# Altium PCB PCB2.PcbDoc (part 2 of 3)
Units mm, origin at the board's own origin, x right, y up, seen from the top; angles counter-clockwise.
Board outline 800 x 450.44 mm, 3 copper layers (Top Layer, Y1, Bottom Layer), stack 0.488 mm thick; 810 components, 801 nets, 2040 pads, 600 vias.
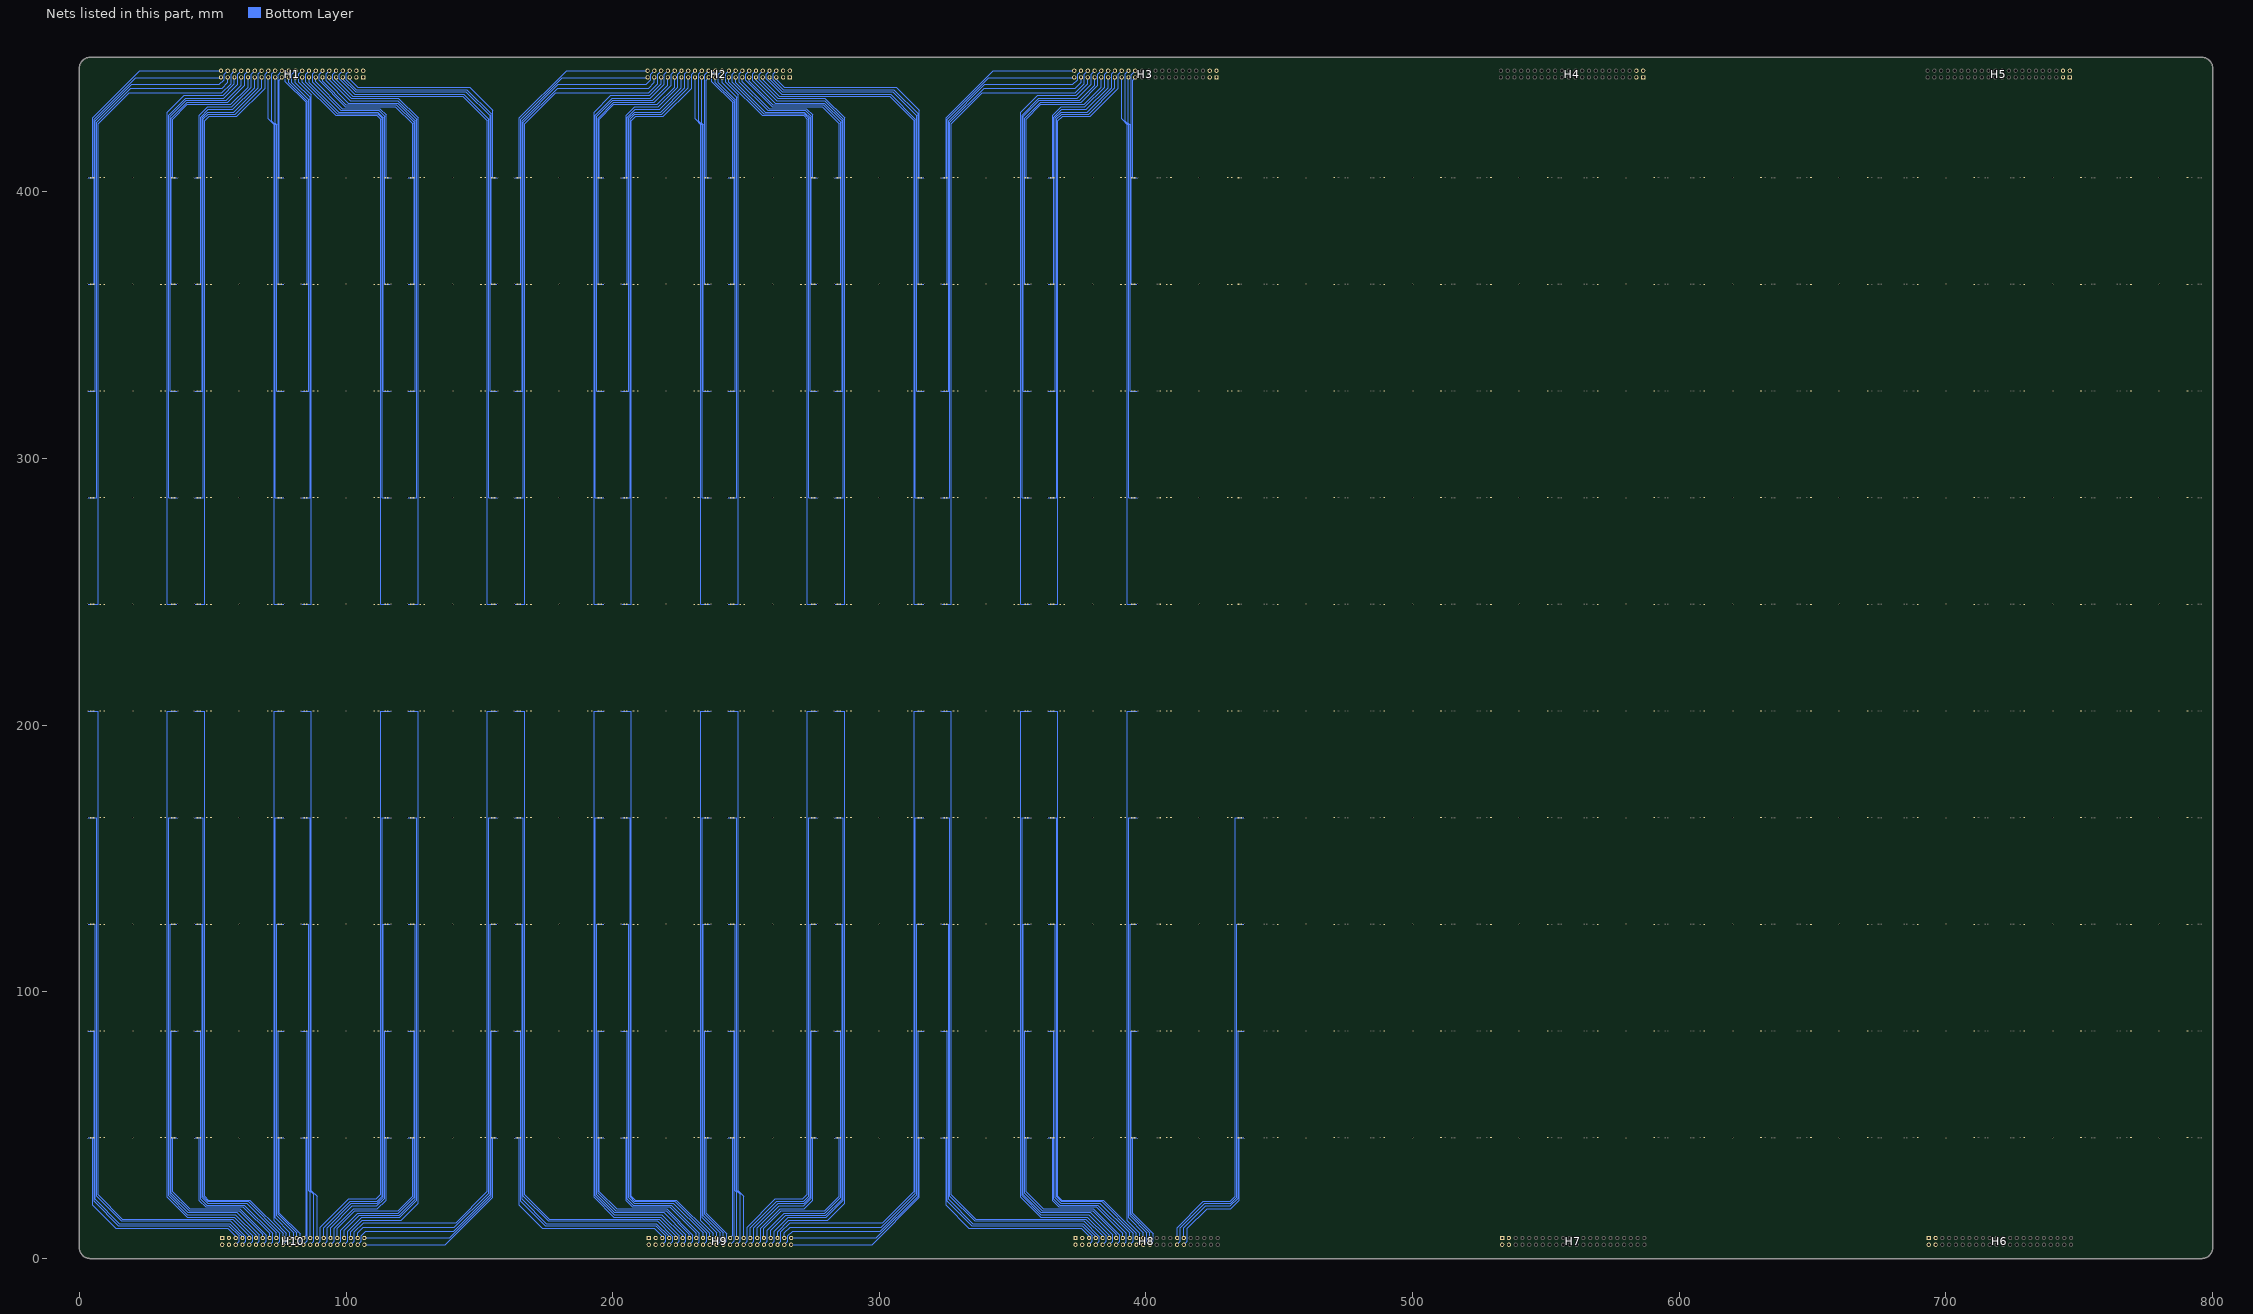
[diagram p3: the nets of this part, all layers, seen from the top]

## Via types
v1: diameter 0.5, hole 0.3, Top Layer to Bottom Layer, tented both sides, 600 vias

## Nets (pads, with @x,y where several pads share a name; then routed paths per layer and width w, separated by ;. In a path a pad name is that pad's centre, name@x,y a point inside that pad or via, vN(x,y) a via of type N, cw(c..) or ccw(c..) an arc to the next point about the centre after c; other vN are vias at no path point)
GND: D1.1 D1_1.1 D1_2.1 D1_3.1 D1_4.1 D1_5.1 D1_6.1 D1_7.1 D1_8.1 D1_9.1 D1_10.1 D1_11.1 D1_12.1 D1_13.1 D1_14.1 D1_15.1 D1_16.1 D1_17.1 D1_18.1 D1_19.1 D2.1 D2_1.1 D2_2.1 D2_3.1 D2_4.1 D2_5.1 D2_6.1 D2_7.1 D2_8.1 D2_9.1 D2_10.1 D2_11.1 D2_12.1 D2_13.1 D2_14.1 D2_15.1 D2_16.1 D2_17.1 D2_18.1 D2_19.1 D3.1 D3_1.1 D3_2.1 D3_3.1 D3_4.1 D3_5.1 D3_6.1 D3_7.1 D3_8.1 D3_9.1 D3_10.1 D3_11.1 D3_12.1 D3_13.1 D3_14.1 D3_15.1 D3_16.1 D3_17.1 D3_18.1 D3_19.1 D4.1 D4_1.1 D4_2.1 D4_3.1 D4_4.1 D4_5.1 D4_6.1 D4_7.1 D4_8.1 D4_9.1 D4_10.1 D4_11.1 D4_12.1 D4_13.1 D4_14.1 D4_15.1 D4_16.1 D4_17.1 D4_18.1 D4_19.1 D5.1 D5_1.1 D5_2.1 D5_3.1 D5_4.1 D5_5.1 D5_6.1 D5_7.1 D5_8.1 D5_9.1 D5_10.1 D5_11.1 D5_12.1 D5_13.1 D5_14.1 D5_15.1 D5_16.1 D5_17.1 D5_18.1 D5_19.1 D6.1 D6_1.1 D6_2.1 D6_3.1 D6_4.1 D6_5.1 D6_6.1 D6_7.1 D6_8.1 D6_9.1 D6_10.1 D6_11.1 D6_12.1 D6_13.1 D6_14.1 D6_15.1 D6_16.1 D6_17.1 D6_18.1 D6_19.1 D7.1 D7_1.1 D7_2.1 D7_3.1 D7_4.1 D7_5.1 D7_6.1 D7_7.1 D7_8.1 D7_9.1 D7_10.1 D7_11.1 D7_12.1 D7_13.1 D7_14.1 D7_15.1 D7_16.1 D7_17.1 D7_18.1 D7_19.1 D8.1 D8_1.1 D8_2.1 D8_3.1 D8_4.1 D8_5.1 D8_6.1 D8_7.1 D8_8.1 D8_9.1 D8_10.1 D8_11.1 D8_12.1 D8_13.1 D8_14.1 D8_15.1 D8_16.1 D8_17.1 D8_18.1 D8_19.1 D9.1 D9_1.1 D9_2.1 D9_3.1 D9_4.1 D9_5.1 D9_6.1 D9_7.1 D9_8.1 D9_9.1 D9_10.1 D9_11.1 D9_12.1 D9_13.1 D9_14.1 D9_15.1 D9_16.1 D9_17.1 D9_18.1 D9_19.1 D10.1 D10_1.1 D10_2.1 D10_3.1 D10_4.1 D10_5.1 D10_6.1 D10_7.1 D10_8.1 D10_9.1 D10_10.1 D10_11.1 D10_12.1 D10_13.1 D10_14.1 D10_15.1 D10_16.1 D10_17.1 D10_18.1 D10_19.1 D11.1 D11_1.1 D11_2.1 D11_3.1 D11_4.1 D11_5.1 D11_6.1 D11_7.1 D11_8.1 D11_9.1 D11_10.1 D11_11.1 D11_12.1 D11_13.1 D11_14.1 D11_15.1 D11_16.1 D11_17.1 D11_18.1 D11_19.1 D12.1 D12_1.1 D12_2.1 D12_3.1 D12_4.1 D12_5.1 D12_6.1 D12_7.1 D12_8.1 D12_9.1 D12_10.1 D12_11.1 D12_12.1 D12_13.1 D12_14.1 D12_15.1 D12_16.1 D12_17.1 D12_18.1 D12_19.1 D13.1 D13_1.1 D13_2.1 D13_3.1 D13_4.1 D13_5.1 D13_6.1 D13_7.1 D13_8.1 D13_9.1 D13_10.1 D13_11.1 D13_12.1 D13_13.1 D13_14.1 D13_15.1 D13_16.1 D13_17.1 D13_18.1 D13_19.1 D14.1 D14_1.1 D14_2.1 D14_3.1 D14_4.1 D14_5.1 D14_6.1 D14_7.1 D14_8.1 D14_9.1 D14_10.1 D14_11.1 D14_12.1 D14_13.1 D14_14.1 D14_15.1 D14_16.1 D14_17.1 D14_18.1 D14_19.1 D15.1 D15_1.1 D15_2.1 D15_3.1 D15_4.1 D15_5.1 D15_6.1 D15_7.1 D15_8.1 D15_9.1 D15_10.1 D15_11.1 D15_12.1 D15_13.1 D15_14.1 D15_15.1 D15_16.1 D15_17.1 D15_18.1 D15_19.1 D16.1 D16_1.1 D16_2.1 D16_3.1 D16_4.1 D16_5.1 D16_6.1 D16_7.1 D16_8.1 D16_9.1 D16_10.1 D16_11.1 D16_12.1 D16_13.1 D16_14.1 D16_15.1 D16_16.1 D16_17.1 D16_18.1 D16_19.1 D17.1 D17_1.1 D17_2.1 D17_3.1 D17_4.1 D17_5.1 D17_6.1 D17_7.1 D17_8.1 D17_9.1 D17_10.1 D17_11.1 D17_12.1 D17_13.1 D17_14.1 D17_15.1 D17_16.1 D17_17.1 D17_18.1 D17_19.1 D18.1 D18_1.1 D18_2.1 D18_3.1 D18_4.1 D18_5.1 D18_6.1 D18_7.1 D18_8.1 D18_9.1 D18_10.1 D18_11.1 D18_12.1 D18_13.1 D18_14.1 D18_15.1 D18_16.1 D18_17.1 D18_18.1 D18_19.1 D19.1 D19_1.1 D19_2.1 D19_3.1 D19_4.1 D19_5.1 D19_6.1 D19_7.1 D19_8.1 D19_9.1 D19_10.1 D19_11.1 D19_12.1 D19_13.1 D19_14.1 D19_15.1 D19_16.1 D19_17.1 D19_18.1 D19_19.1 D20.1 D20_1.1 D20_2.1 D20_3.1 D20_4.1 D20_5.1 D20_6.1 D20_7.1 D20_8.1 D20_9.1 D20_10.1 D20_11.1 D20_12.1 D20_13.1 D20_14.1 D20_15.1 D20_16.1 D20_17.1 D20_18.1 D20_19.1 H1.1 H1.2 H1.3 H1.4 H2.1 H2.2 H2.3 H2.4 H3.1 H3.2 H3.3 H3.4 H4.1 H4.2 H4.3 H4.4 H5.1 H5.2 H5.3 H5.4 H6.1 H6.2 H6.3 H6.4 H7.1 H7.2 H7.3 H7.4 H8.1 H8.2 H8.3 H8.4 H9.1 H9.2 H9.3 H9.4 H10.1 H10.2 H10.3 H10.4
  other v1: 20,45.308 60,45.308 100,45.308 140,45.308 180,45.308 220,45.308 260,45.308 300,45.308 340,45.308 380,45.308 420,45.308 460,45.308 500,45.308 540,45.308 580,45.308 620,45.308 660,45.308 700,45.308 740,45.308 780,45.308 20,85.308 60,85.308 100,85.308 140,85.308 180,85.308 220,85.308 260,85.308 300,85.308 340,85.308 380,85.308 420,85.308 460,85.308 500,85.308 540,85.308 580,85.308 620,85.308 660,85.308 700,85.308 740,85.308 780,85.308 20,125.308 60,125.308 100,125.308 140,125.308 180,125.308 220,125.308 260,125.308 300,125.308 340,125.308 380,125.308 420,125.308 460,125.308 500,125.308 540,125.308 580,125.308 620,125.308 660,125.308 700,125.308 740,125.308 780,125.308 20,165.308 60,165.308 100,165.308 140,165.308 180,165.308 220,165.308 260,165.308 300,165.308 340,165.308 380,165.308 420,165.308 460,165.308 500,165.308 540,165.308 580,165.308 620,165.308 660,165.308 700,165.308 740,165.308 780,165.308 20,205.308 60,205.308 100,205.308 140,205.308 180,205.308 220,205.308 260,205.308 300,205.308 340,205.308 380,205.308 420,205.308 460,205.308 500,205.308 540,205.308 580,205.308 620,205.308 660,205.308 700,205.308 740,205.308 780,205.308 20,245.308 60,245.308 100,245.308 140,245.308 180,245.308 220,245.308 260,245.308 300,245.308 340,245.308 380,245.308 420,245.308 460,245.308 500,245.308 540,245.308 580,245.308 620,245.308 660,245.308 700,245.308 740,245.308 780,245.308 20,285.308 60,285.308 100,285.308 140,285.308 180,285.308 220,285.308 260,285.308 300,285.308 340,285.308 380,285.308 420,285.308 460,285.308 500,285.308 540,285.308 580,285.308 620,285.308 660,285.308 700,285.308 740,285.308 780,285.308 20,325.308 60,325.308 100,325.308 140,325.308 180,325.308 220,325.308 260,325.308 300,325.308 340,325.308 380,325.308 420,325.308 460,325.308 500,325.308 540,325.308 580,325.308 620,325.308 660,325.308 700,325.308 740,325.308 780,325.308 20,365.308 60,365.308 100,365.308 140,365.308 180,365.308 220,365.308 260,365.308 300,365.308 340,365.308 380,365.308 420,365.308 460,365.308 500,365.308 540,365.308 580,365.308 620,365.308 660,365.308 700,365.308 740,365.308 780,365.308 20,405.308 60,405.308 100,405.308 140,405.308 180,405.308 220,405.308 260,405.308 300,405.308 340,405.308 380,405.308 420,405.308 460,405.308 500,405.308 540,405.308 580,405.308 620,405.308 660,405.308 700,405.308 740,405.308 780,405.308
NewNet1: D1.2 L1.2
NewNet2: H1.44 L1.1 | length 79.7
  Bottom Layer w0.2: v1(3.1,405.308) 4.999,405.308 4.999,427.707 22.74,445.448 H1.44@53.1,445.448
NewNet3: H1.43 L2.1 | length 118.4
  Bottom Layer w0.2: v1(3.1,365.308) 5.499,365.308 5.499,427.207 21.1,442.808 53,442.808 H1.43@53.1,442.908
NewNet4: D2.2 L2.2
NewNet5: H1.42 L3.1 | length 162.9
  Bottom Layer w0.2: v1(3.1,325.308) 5.999,325.308 5.999,426.707 19.6,440.308 52.527,440.308 54.357,442.138 54.357,444.165 H1.42@55.64,445.448
NewNet6: D3.2 L3.2
NewNet7: H1.41 L4.1 | length 201.4
  Bottom Layer w0.2: v1(3.1,285.308) 6.499,285.308 6.499,426.055 19.33,438.887 53.493,438.887 55.64,441.033 H1.41@55.64,442.908
NewNet8: D4.2 L4.2
NewNet9: H1.40 L5.1 | length 245.6
  Bottom Layer w0.2: v1(3.1,245.308) 6.999,245.308 6.999,425.463 18.67,437.134 53.443,437.134 56.922,440.614 56.922,444.19 H1.40@58.18,445.448
NewNet10: D5.2 L5.2
NewNet11: H10.9 L6.1 | length 249.2
  Bottom Layer w0.2: v1(3.1,205.308) 6.999,205.308 6.999,25.384 6.999,23.861 16.133,14.727 57.484,14.727 63.72,8.491 H10.9@63.72,7.708
NewNet12: D6.2 L6.2
NewNet13: H10.8 L7.1 | length 211.2
  Bottom Layer w0.2: v1(3.1,165.308) 6.499,165.308 6.499,23.396 15.803,14.092 56.646,14.092 62.488,8.25 62.488,6.476 H10.8@61.18,5.168
NewNet14: D7.2 L7.2
NewNet15: H10.7 L8.1 | length 167.6
  Bottom Layer w0.2: v1(3.1,125.308) 5.999,125.308 5.999,25.384 5.999,22.143 15.015,13.126 56.417,13.126 61.18,8.364 H10.7@61.18,7.708
NewNet16: D8.2 L8.2
NewNet17: H10.6 L9.1 | length 129.9
  Bottom Layer w0.2: v1(3.1,85.308) 5.499,85.308 5.499,25.385 5.499,21.399 14.634,12.263 56.087,12.263 59.872,8.478 59.872,6.4 H10.6@58.64,5.168
NewNet18: D9.2 L9.2
NewNet19: H10.5 L10.1 | length 86.3
  Bottom Layer w0.2: v1(3.1,45.308) 4.999,45.308 4.999,25.384 4.999,20.019 13.593,11.425 55.63,11.425 58.64,8.415 H10.5@58.64,7.708
NewNet20: D10.2 L10.2
NewNet21: H1.35 L11.1 | length 60.8
  Bottom Layer w0.2: v1(36.9,405.308) 35.001,405.308 35.001,427.278 40.489,432.765 56.795,432.765 63.26,439.23 H1.35@63.26,442.908
NewNet22: D11.2 L11.2
NewNet23: H1.36 L12.1 | length 103.3
  Bottom Layer w0.2: v1(36.9,365.308) 34.501,365.308 34.501,427.616 40.489,433.603 55.652,433.603 61.977,439.928 61.977,444.165 H1.36@63.26,445.448
NewNet24: D12.2 L12.2
NewNet25: H1.37 L13.1 | length 140.4
  Bottom Layer w0.2: v1(36.9,325.308) 34.001,325.308 34.001,428.36 40.057,434.416 55.119,434.416 60.72,440.017 H1.37@60.72,442.908
NewNet26: D13.2 L13.2
NewNet27: H1.38 L14.1 | length 183.2
  Bottom Layer w0.2: v1(36.9,285.308) 33.501,285.308 33.501,428.749 39.854,435.102 54.179,435.102 59.386,440.309 59.386,444.114 H1.38@60.72,445.448
NewNet28: D14.2 L14.2
NewNet29: H1.39 L15.1 | length 220.4
  Bottom Layer w0.2: v1(36.9,245.308) 33.001,245.308 33.001,429.85 39.371,436.22 53.9,436.22 58.18,440.5 H1.39@58.18,442.908
NewNet30: D15.2 L15.2
NewNet31: H10.10 L16.1 | length 228.1
  Bottom Layer w0.2: v1(36.9,205.308) 33.001,205.308 33.001,22.903 40.441,15.463 58.018,15.463 65.003,8.478 65.003,6.451 H10.10@63.72,5.168
NewNet32: D16.2 L16.2
NewNet33: H10.11 L17.1 | length 185.1
  Bottom Layer w0.2: v1(36.9,165.308) 33.501,165.308 33.501,23.47 40.542,16.428 58.475,16.428 66.26,8.643 H10.11@66.26,7.708
NewNet34: D17.2 L17.2
NewNet35: H10.12 L18.1 | length 148.3
  Bottom Layer w0.2: v1(36.9,125.308) 34.001,125.308 34.001,23.884 40.593,17.292 59.084,17.292 67.492,8.885 67.492,6.4 H10.12@66.26,5.168
NewNet36: D18.2 L18.2
NewNet37: H10.13 L19.1 | length 105.3
  Bottom Layer w0.2: v1(36.9,85.308) 34.501,85.308 34.501,24.502 41.127,17.876 60.024,17.876 68.8,9.101 H10.13@68.8,7.708
NewNet38: D19.2 L19.2
NewNet39: H10.14 L20.1 | length 68.1
  Bottom Layer w0.2: v1(36.9,45.308) 35.001,45.308 35.001,25.094 41.482,18.613 60.202,18.613 70.083,8.732 70.083,6.451 H10.14@68.8,5.168
NewNet40: D20.2 L20.2
NewNet41: D20_1.2 L20_1.2
NewNet42: D19_1.2 L19_1.2
NewNet43: D18_1.2 L18_1.2
NewNet44: D17_1.2 L17_1.2
NewNet45: D16_1.2 L16_1.2
NewNet46: D15_1.2 L15_1.2
NewNet47: D14_1.2 L14_1.2
NewNet48: D13_1.2 L13_1.2
NewNet49: D12_1.2 L12_1.2
NewNet50: D11_1.2 L11_1.2
NewNet51: D10_1.2 L10_1.2
NewNet52: D9_1.2 L9_1.2
NewNet53: D8_1.2 L8_1.2
NewNet54: D7_1.2 L7_1.2
NewNet55: D6_1.2 L6_1.2
NewNet56: D5_1.2 L5_1.2
NewNet57: D4_1.2 L4_1.2
NewNet58: D3_1.2 L3_1.2
NewNet59: D2_1.2 L2_1.2
NewNet60: H10.24 L20_1.1 | length 45.8
  Bottom Layer w0.2: v1(76.9,45.308) 75.001,45.308 75.001,17.022 82.757,9.266 82.757,6.426 H10.24@81.5,5.168
NewNet61: H10.23 L19_1.1 | length 82.9
  Bottom Layer w0.2: v1(76.9,85.308) 74.501,85.308 74.501,16.633 81.5,9.634 H10.23@81.5,7.708
NewNet62: H10.22 L18_1.1 | length 126.2
  Bottom Layer w0.2: v1(76.9,125.308) 74.001,125.308 74.001,16.041 80.319,9.723 80.319,6.527 H10.22@78.96,5.168
NewNet63: H10.21 L17_1.1 | length 163.3
  Bottom Layer w0.2: v1(76.9,165.308) 73.501,165.308 73.501,15.194 78.96,9.736 H10.21@78.96,7.708
NewNet64: H10.20 L16_1.1 | length 206.5
  Bottom Layer w0.2: H10.20@76.42,5.168 77.652,6.4 77.652,9.494 73.001,14.145 73.001,205.308 v1(76.9,205.308)
NewNet65: H1.29 L15_1.1 | length 202.4
  Bottom Layer w0.2: H1.29@70.88,442.908 70.88,427.352 73.001,425.231 73.001,245.308 v1(76.9,245.308)
NewNet66: H1.28 L14_1.1 | length 164.6
  Bottom Layer w0.2: H1.28@73.42,445.448 72.188,444.216 72.188,426.544 73.501,425.231 73.501,285.308 v1(76.9,285.308)
NewNet67: H1.27 L13_1.1 | length 120.7
  Bottom Layer w0.2: H1.27@73.42,442.908 73.42,425.812 74.001,425.231 74.001,325.308 v1(76.9,325.308)
NewNet68: H1.26 L12_1.1 | length 83.1
  Bottom Layer w0.2: H1.26@75.96,445.448 74.501,443.989 74.501,365.308 v1(76.9,365.308)
NewNet69: H1.25 L11_1.1 | length 39.9
  Bottom Layer w0.2: H1.25@75.96,442.908 75.001,441.949 75.001,405.308 v1(76.9,405.308)
NewNet70: H10.15 L10_1.1 | length 58.6
  Bottom Layer w0.2: v1(43.1,45.308) 44.999,45.308 44.999,25.384 44.999,21.751 47.35,19.4 61.345,19.4 71.34,9.405 H10.15@71.34,7.708
NewNet71: H10.16 L9_1.1 | length 102.5
  Bottom Layer w0.2: v1(43.1,85.308) 45.499,85.308 45.499,22.293 47.731,20.061 61.904,20.061 72.546,9.418 72.546,6.375 H10.16@71.34,5.168
NewNet72: H10.17 L8_1.1 | length 140.6
  Bottom Layer w0.2: v1(43.1,125.308) 45.999,125.308 45.999,25.384 45.999,22.834 48.086,20.746 62.742,20.746 73.88,9.609 H10.17@73.88,7.708
NewNet73: H10.18 L7_1.1 | length 184.8
  Bottom Layer w0.2: v1(43.1,165.308) 46.499,165.308 46.499,23.071 48.162,21.407 63.326,21.407 75.188,9.545 75.188,6.476 H10.18@73.88,5.168
NewNet74: H10.19 L6_1.1 | length 222.8
  Bottom Layer w0.2: v1(43.1,205.308) 46.999,205.308 46.999,23.358 48.416,21.94 63.91,21.94 76.42,9.431 H10.19@76.42,7.708
NewNet75: H1.30 L5_1.1 | length 220
  Bottom Layer w0.2: v1(43.1,245.308) 46.999,245.308 46.999,426.601 48.693,428.295 59.005,428.295 69.622,438.912 69.622,444.19 H1.30@70.88,445.448
NewNet76: H1.31 L4_1.1 | length 176
  Bottom Layer w0.2: v1(43.1,285.308) 46.499,285.308 46.499,425.232 46.499,427.345 48.337,429.184 58.472,429.184 68.34,439.052 H1.31@68.34,442.908
NewNet77: H1.32 L3_1.1 | length 138
  Bottom Layer w0.2: v1(43.1,325.308) 45.999,325.308 45.999,427.709 48.21,429.92 57.964,429.92 67.108,439.064 67.108,444.216 H1.32@68.34,445.448
NewNet78: H1.33 L2_1.1 | length 93.8
  Bottom Layer w0.2: v1(43.1,365.308) 45.499,365.308 45.499,425.232 45.499,428.022 48.388,430.911 57.583,430.911 65.8,439.128 H1.33@65.8,442.908
NewNet79: H1.34 L1_1.1 | length 55.9
  Bottom Layer w0.2: v1(43.1,405.308) 44.999,405.308 44.999,428.69 48.21,431.902 57.1,431.902 64.492,439.293 64.492,444.14 H1.34@65.8,445.448
NewNet80: D1_1.2 L1_1.2
NewNet81: D20_2.2 L20_2.2
NewNet82: D19_2.2 L19_2.2
NewNet83: D18_2.2 L18_2.2
NewNet84: D17_2.2 L17_2.2
NewNet85: D16_2.2 L16_2.2
NewNet86: D15_2.2 L15_2.2
NewNet87: D14_2.2 L14_2.2
NewNet88: D13_2.2 L13_2.2
NewNet89: D12_2.2 L12_2.2
NewNet90: D11_2.2 L11_2.2
NewNet91: D10_2.2 L10_2.2
NewNet92: D9_2.2 L9_2.2
NewNet93: D8_2.2 L8_2.2
NewNet94: D7_2.2 L7_2.2
NewNet95: D6_2.2 L6_2.2
NewNet96: D5_2.2 L5_2.2
NewNet97: D4_2.2 L4_2.2
NewNet98: D3_2.2 L3_2.2
NewNet99: D2_2.2 L2_2.2
NewNet100: H10.34 L20_2.1 | length 55.9
  Bottom Layer w0.2: H10.34@94.2,5.168 95.508,6.476 95.508,11.323 102.899,18.714 111.789,18.714 115.001,21.926 115.001,45.308 v1(116.9,45.308)
NewNet101: H10.33 L19_2.1 | length 93.8
  Bottom Layer w0.2: H10.33@94.2,7.708 94.2,11.488 102.417,19.705 111.612,19.705 114.501,22.594 114.501,25.547 114.501,85.308 v1(116.9,85.308)
NewNet102: H10.32 L18_2.1 | length 138
  Bottom Layer w0.2: H10.32@91.66,5.168 92.892,6.4 92.892,11.552 102.036,20.696 111.789,20.696 114.001,22.907 114.001,125.308 v1(116.9,125.308)
NewNet103: H10.31 L17_2.1 | length 176
  Bottom Layer w0.2: H10.31@91.66,7.708 91.66,11.564 101.528,21.432 111.662,21.432 113.501,23.271 113.501,165.308 v1(116.9,165.308)
NewNet104: H10.30 L16_2.1 | length 220
  Bottom Layer w0.2: H10.30@89.12,5.168 90.377,6.426 90.377,11.704 100.994,22.321 111.307,22.321 113.001,24.015 113.001,205.308 v1(116.9,205.308)
NewNet105: H1.19 L15_2.1 | length 222.8
  Bottom Layer w0.2: H1.19@83.58,442.908 83.58,441.185 96.089,428.676 111.583,428.676 113.001,427.258 113.001,245.308 v1(116.9,245.308)
NewNet106: H1.18 L14_2.1 | length 184.8
  Bottom Layer w0.2: H1.18@86.12,445.448 84.812,444.14 84.812,441.071 96.673,429.209 111.837,429.209 113.501,427.545 113.501,285.308 v1(116.9,285.308)
NewNet107: H1.17 L13_2.1 | length 140.6
  Bottom Layer w0.2: H1.17@86.12,442.908 86.12,441.007 97.258,429.87 111.913,429.87 114.001,427.782 114.001,325.308 v1(116.9,325.308)
NewNet108: H1.16 L12_2.1 | length 102.5
  Bottom Layer w0.2: H1.16@88.66,445.448 87.453,444.241 87.453,441.198 98.096,430.555 112.269,430.555 114.501,428.323 114.501,365.308 v1(116.9,365.308)
NewNet109: H1.15 L11_2.1 | length 58.6
  Bottom Layer w0.2: H1.15@88.66,442.908 88.66,441.211 98.655,431.216 112.65,431.216 115.001,428.865 115.001,405.308 v1(116.9,405.308)
NewNet110: H10.25 L10_2.1 | length 39.9
  Bottom Layer w0.2: v1(83.1,45.308) 84.999,45.308 84.999,8.667 H10.25@84.04,7.708
NewNet111: H10.26 L9_2.1 | length 83.1
  Bottom Layer w0.2: v1(83.1,85.308) 85.499,85.308 85.499,6.627 H10.26@84.04,5.168
NewNet112: H10.27 L8_2.1 | length 120.7
  Bottom Layer w0.2: v1(83.1,125.308) 85.999,125.308 85.999,25.385 86.58,24.804 H10.27@86.58,7.708
NewNet113: H10.28 L7_2.1 | length 164.6
  Bottom Layer w0.2: v1(83.1,165.308) 86.499,165.308 86.499,25.385 87.812,24.072 87.812,6.4 H10.28@86.58,5.168
NewNet114: H10.29 L6_2.1 | length 202.4
  Bottom Layer w0.2: v1(83.1,205.308) 86.999,205.308 86.999,25.385 89.12,23.264 H10.29@89.12,7.708
NewNet115: H1.20 L5_2.1 | length 206.5
  Bottom Layer w0.2: v1(83.1,245.308) 86.999,245.308 86.999,436.471 82.348,441.122 82.348,444.216 H1.20@83.58,445.448
NewNet116: H1.21 L4_2.1 | length 163.3
  Bottom Layer w0.2: H1.21@81.04,442.908 81.04,440.88 86.499,435.422 86.499,285.308 v1(83.1,285.308)
NewNet117: H1.22 L3_2.1 | length 126.2
  Bottom Layer w0.2: H1.22@81.04,445.448 79.681,444.089 79.681,440.893 85.999,434.575 85.999,325.308 v1(83.1,325.308)
NewNet118: H1.23 L2_2.1 | length 82.9
  Bottom Layer w0.2: H1.23@78.5,442.908 78.5,440.982 85.499,433.983 85.499,365.308 v1(83.1,365.308)
NewNet119: H1.24 L1_2.1 | length 45.8
  Bottom Layer w0.2: H1.24@78.5,445.448 77.242,444.19 77.242,441.35 84.999,433.594 84.999,405.308 v1(83.1,405.308)
NewNet120: D1_2.2 L1_2.2
NewNet121: D20_3.2 L20_3.2
NewNet122: D19_3.2 L19_3.2
NewNet123: D18_3.2 L18_3.2
NewNet124: D17_3.2 L17_3.2
NewNet125: D16_3.2 L16_3.2
NewNet126: D15_3.2 L15_3.2
NewNet127: D14_3.2 L14_3.2
NewNet128: D13_3.2 L13_3.2
NewNet129: D12_3.2 L12_3.2
NewNet130: D11_3.2 L11_3.2
NewNet131: D10_3.2 L10_3.2
NewNet132: D9_3.2 L9_3.2
NewNet133: D8_3.2 L8_3.2
NewNet134: D7_3.2 L7_3.2
NewNet135: D6_3.2 L6_3.2
NewNet136: D5_3.2 L5_3.2
NewNet137: D4_3.2 L4_3.2
NewNet138: D3_3.2 L3_3.2
NewNet139: D2_3.2 L2_3.2
NewNet140: H10.44 L20_3.1 | length 79.7
  Bottom Layer w0.2: H10.44@106.9,5.168 137.26,5.168 155.001,22.909 155.001,45.308 v1(156.9,45.308)
NewNet141: H10.43 L19_3.1 | length 118.4
  Bottom Layer w0.2: H10.43@106.9,7.708 107,7.808 138.9,7.808 154.501,23.409 154.501,85.308 v1(156.9,85.308)
NewNet142: H10.42 L18_3.1 | length 162.9
  Bottom Layer w0.2: H10.42@104.36,5.168 105.643,6.451 105.643,8.478 107.473,10.308 140.4,10.308 154.001,23.909 154.001,125.308 v1(156.9,125.308)
NewNet143: H10.41 L17_3.1 | length 201.4
  Bottom Layer w0.2: H10.41@104.36,7.708 104.36,9.583 106.506,11.729 140.669,11.729 153.501,24.561 153.501,165.308 v1(156.9,165.308)
NewNet144: H10.40 L16_3.1 | length 245.6
  Bottom Layer w0.2: H10.40@101.82,5.168 103.077,6.426 103.077,10.002 106.557,13.482 141.33,13.482 153.001,25.153 153.001,205.308 v1(156.9,205.308)
NewNet145: H1.9 L15_3.1 | length 249.2
  Bottom Layer w0.2: H1.9@96.28,442.908 96.28,442.125 102.515,435.889 143.867,435.889 153.001,426.755 153.001,245.308 v1(156.9,245.308)
NewNet146: H1.8 L14_3.1 | length 211.2
  Bottom Layer w0.2: H1.8@98.82,445.448 97.512,444.14 97.512,442.366 103.354,436.524 144.197,436.524 153.501,427.22 153.501,285.308 v1(156.9,285.308)
NewNet147: H1.7 L13_3.1 | length 167.6
  Bottom Layer w0.2: H1.7@98.82,442.908 98.82,442.252 103.582,437.49 144.984,437.49 154.001,428.473 154.001,325.308 v1(156.9,325.308)
NewNet148: H1.6 L12_3.1 | length 129.9
  Bottom Layer w0.2: H1.6@101.36,445.448 100.128,444.216 100.128,442.138 103.912,438.353 145.365,438.353 154.501,429.217 154.501,365.308 v1(156.9,365.308)
NewNet149: H1.5 L11_3.1 | length 86.3
  Bottom Layer w0.2: H1.5@101.36,442.908 101.36,442.201 104.37,439.191 146.407,439.191 155.001,430.597 155.001,405.308 v1(156.9,405.308)
NewNet150: H10.35 L10_3.1 | length 60.8
  Bottom Layer w0.2: H10.35@96.74,7.708 96.74,11.386 103.204,17.851 119.511,17.851 124.999,23.338 124.999,45.308 v1(123.1,45.308)
NewNet151: H10.36 L9_3.1 | length 103.3
  Bottom Layer w0.2: H10.36@96.74,5.168 98.023,6.451 98.023,10.688 104.347,17.013 119.511,17.013 125.499,23 125.499,85.308 v1(123.1,85.308)
NewNet152: H10.37 L8_3.1 | length 140.4
  Bottom Layer w0.2: H10.37@99.28,7.708 99.28,10.599 104.881,16.2 119.943,16.2 125.999,22.256 125.999,125.308 v1(123.1,125.308)